# Altium PCB ETRX_FECU.PcbDoc
Units mm, origin at the board's own origin, x right, y up, seen from the top; angles counter-clockwise.
Board outline 150 x 55 mm, 4 copper layers (Top Layer, GND, PWR, Bottom Layer), stack 1.446 mm thick; 59 components, 50 nets, 264 pads, 447 vias.
Unrouted connection lines stored in the file: 6.
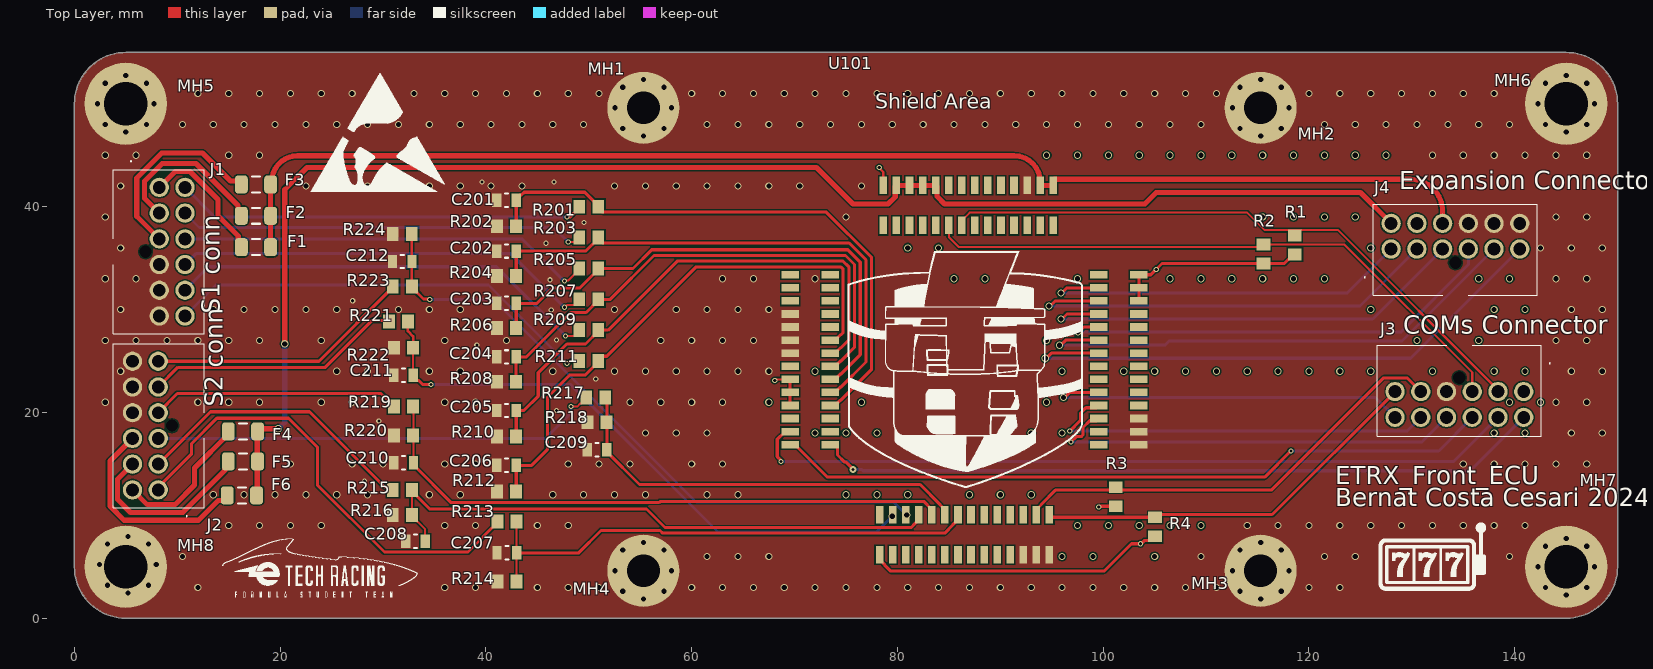
[diagram p0: Top Layer view]
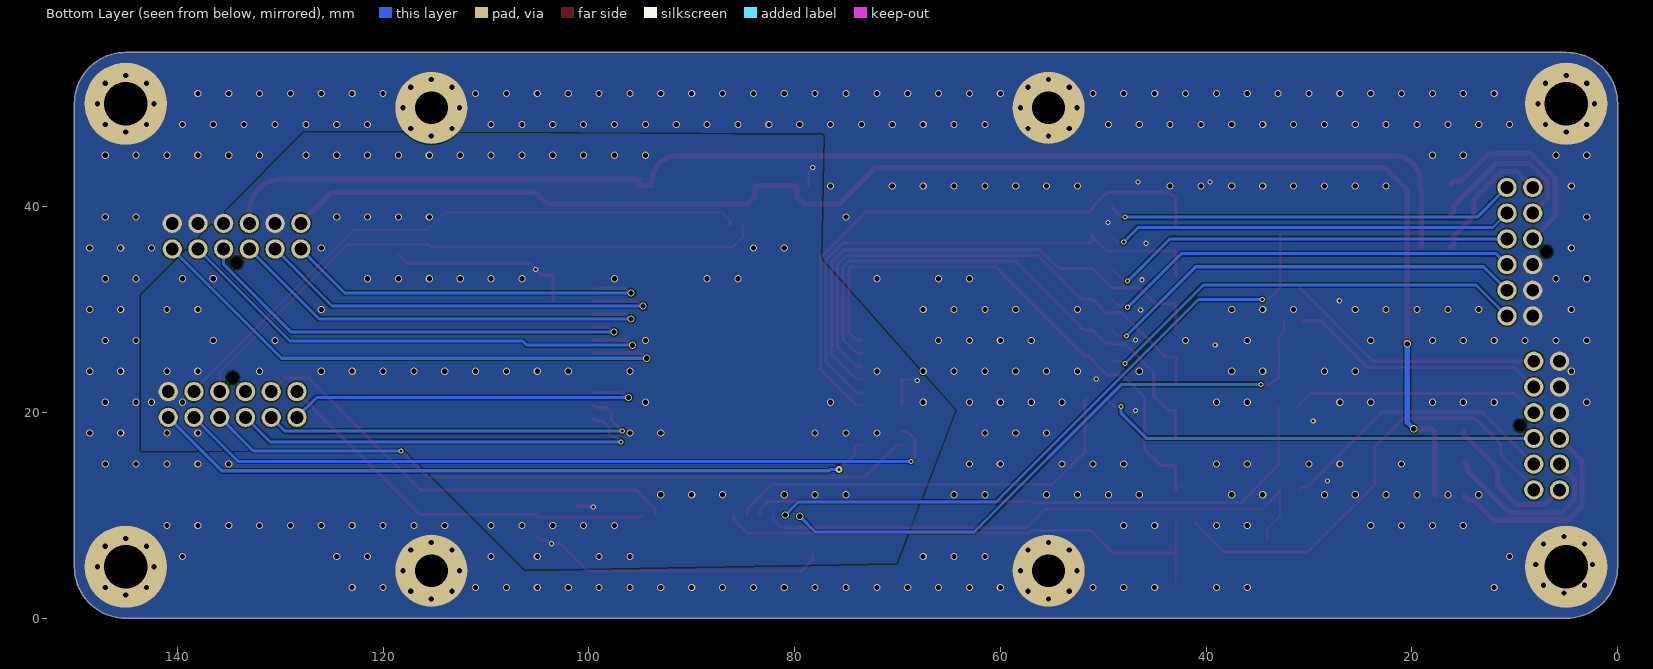
[diagram p1: Bottom Layer view, seen from below]
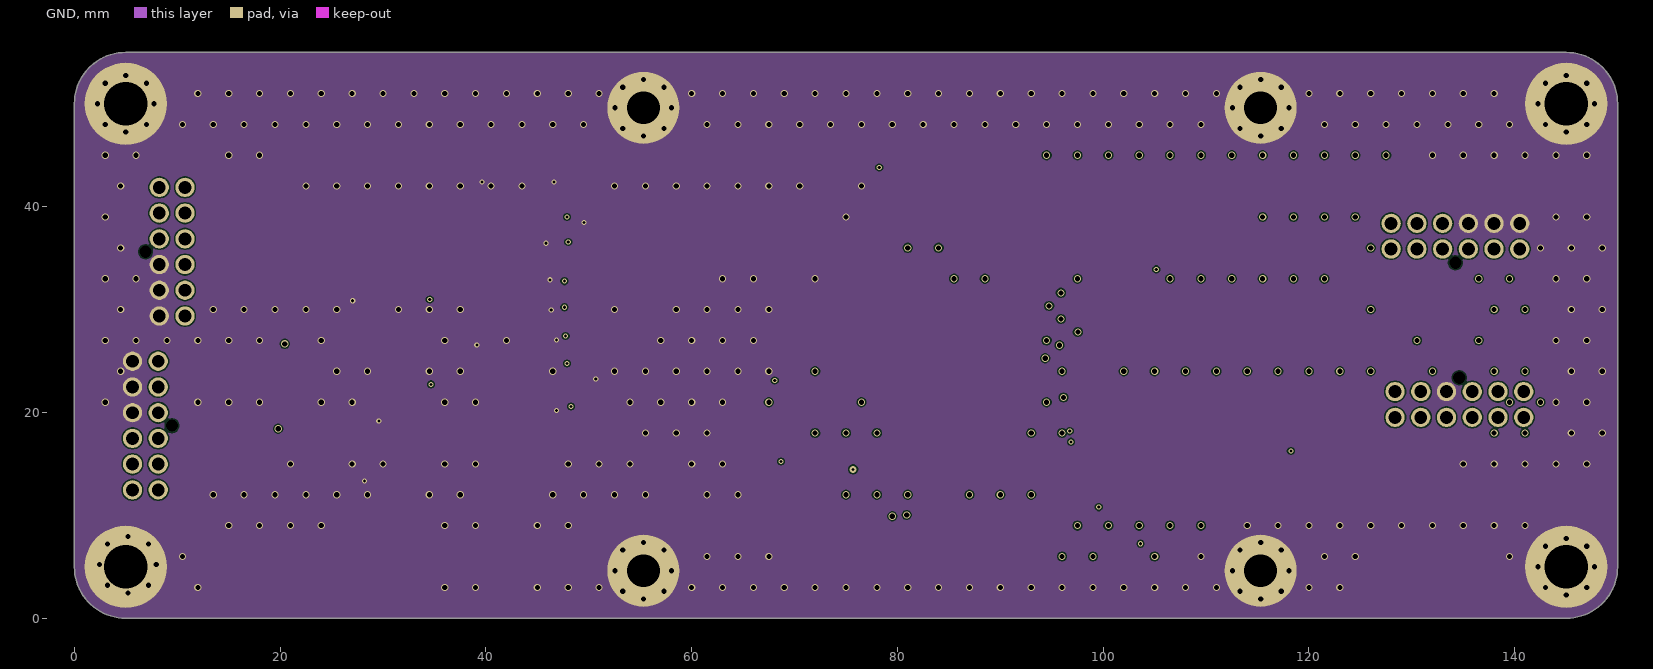
[diagram p2: GND]
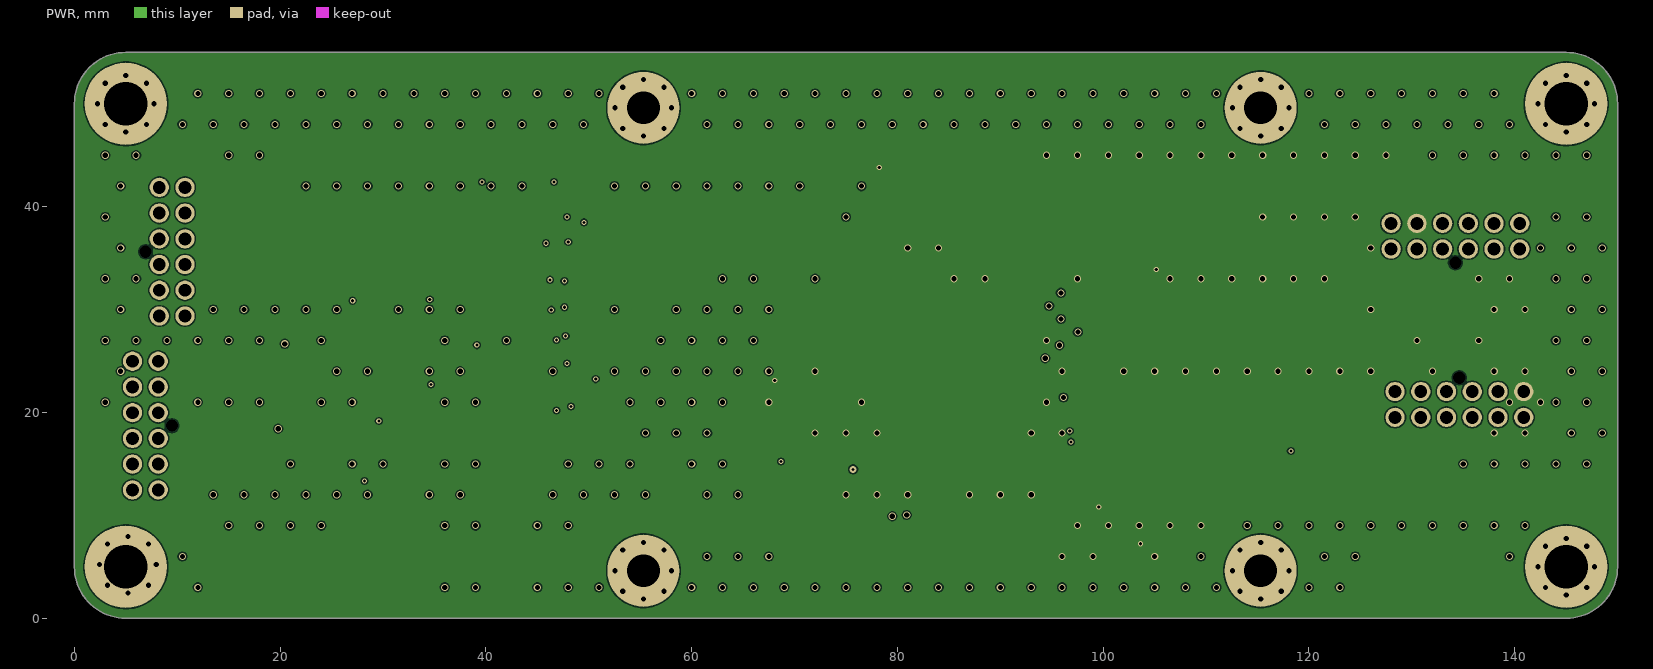
[diagram p3: PWR]

## Layer stack, top to bottom
Top Solder: solder mask 0.01, Solder Resist, Dk 3.5
Top Layer: signal copper 0.035
Dielectric 2: prepreg 0.1, PP-006, Dk 4.1
GND: signal copper 0.018
Dielectric 4: prepreg 0.07, PP-006, Dk 4.1
Dielectric 1: dielectric 1, FR-4, Dk 4.8
Dielectric 5: prepreg 0.07, PP-006, Dk 4.1
PWR: signal copper 0.018
Dielectric 3: prepreg 0.1, PP-006, Dk 4.1
Bottom Layer: signal copper 0.035
Bottom Solder: solder mask 0.01, Solder Resist, Dk 3.5

## Board outline
0,5 0,50 cw(c5,50) 5,55 145,55 cw(c145,50) 150,50 150,5 cw(c145,5) 145,0 5,0 cw(c5,5)

## Design rules (kind name [scope] priority, off if disabled: settings)
Clearance [All] p1: gap=0.127 ignorepadtopadclearanceinfootprint=FALSE
HoleSize [All] p1: absolutevalues=TRUE maxlimit=2.54 minlimit=0.2 maxpercent=80.000 minpercent=20.000
HoleToHoleClearance [All] p1: gap=0.01 allowstackedmicrovias=TRUE
PlaneClearance [All] p1: clearance=0.5
PlaneConnect [All] p1: planeconnectstyle=Direct reliefexpansion=0.508 reliefentries=4 reliefconductorwidth=0.254 reliefairgap=0.254
PolygonConnect [All] p1: connectstyle=Direct reliefconductorwidth=0.254 reliefentries=4 polygonreliefangle="90 Angle" airgapwidth=0.254
RoutingVias [All] p1: holewidth=0.3 width=0.5 viastyle="Through Hole" minholewidth=0.3 minwidth=0.5 maxholewidth=0.711 maxwidth=1.27
SilkToSilkClearance [All] p1: silktosilkclearance=0
SilkToSolderMaskClearance [IsPad] p1: minsilkscreentomaskgap=0.1 clearancetoexposedcopper=TRUE
SolderMaskExpansion [All] p1: expansion=0.1 istentingtop=FALSE
Width [All] p1: maxlimit=2 minlimit=0.2 preferedwidth=0.254 toplayer_maxwidth=1 bottomlayer_maxwidth=1 minimp=50.000000 maximp=50.000000 favimp=50.000000
24 further rules are at their usual default settings.

## Classes and differential pairs
component class ETRX_FECU: F1 F2 F3 F4 F5 F6 J1 J2 J3 J4 MH1 MH2 MH3 MH4 MH5 MH6 MH7 MH8 R1 R2 R3 R4
component class "[2] Sensors": C201 C202 C203 C204 C205 C206 C207 C208 C209 C210 C211 C212 R201 R202 R203 R204 R205 R206 R207 R208 R209 R210 R211 R212 R213 R214 R215 R216 R217 R218 R219 R220 R221 R222 R223 R224
component class "[1] Shield": U101

## Components (designator, comment, footprint, x,y, rotation, side; value= is the part's Value field where it differs from the comment)
C201 "885012207103" C0805FNPC-R 42,40.64 r180 top
C202 "885012207103" C0805FNPC-R 42,35.687 r180 top
C203 "885012207103" C0805FNPC-R 42,30.607 r180 top
C204 "885012207103" C0805FNPC-R 42,25.4 r180 top
C205 "885012207103" C0805FNPC-R 42,20.193 r180 top
C206 "885012207103" C0805FNPC-R 42,14.859 r180 top
C207 "885012207103" C0805FNPC-R 42.037,6.35 r180 top
C208 "885012207098" C0805FNPC-R 33.147,7.493 r180 top
C209 "885012207098" C0805FNPC-R 50.8,16.383 r180 top
C210 "885012207098" C0805FNPC-R 32.004,15.113 r180 top
C211 "885012207103" C0805FNPC-R 32,23.622 r180 top
C212 "885012207103" C0805FNPC-R 31.873,34.671 r180 top
F1 "0437001.WRA" Fuse_1206 17.653,36.068 r180 top
F2 "0437001.WRA" Fuse_1206 17.653,39.116 r180 top
F3 "0437001.WRA" Fuse_1206 17.653,42.164 r180 top
F4 "0437001.WRA" Fuse_1206 16.383,18.161 r0 top
F5 "0437001.WRA" Fuse_1206 16.383,15.24 r0 top
F6 "0437001.WRA" Fuse_1206 16.284,11.938 r0 top
J1 "1053101112" J_NanoFit_2x6_V 8.255,41.877 r90 top
J2 "1053101112" J_NanoFit_2x6_V 8.15,12.479 r270 top
J3 "1053101112" J_NanoFit_2x6_V 140.87,22.028 r0 top
J4 "1053101112" J_NanoFit_2x6_V 127.989,35.884 r180 top
MH1 "Mounting_Hole_M3" Mounting_Hole_M3 55.306,49.616 r0 top
MH2 "Mounting_Hole_M3" Mounting_Hole_M3 115.306,49.616 r0 top locked
MH3 "Mounting_Hole_M3" Mounting_Hole_M3 115.306,4.616 r0 top locked
MH4 "Mounting_Hole_M3" Mounting_Hole_M3 55.306,4.616 r0 top
MH5 "Mounting_Hole_M4" Mounting_Hole_M4#1 5,50 r0 top locked
MH6 "Mounting_Hole_M4" Mounting_Hole_M4#1 145,50 r0 top locked
MH7 "Mounting_Hole_M4" Mounting_Hole_M4#1 145,5 r0 top locked
MH8 "Mounting_Hole_M4" Mounting_Hole_M4#2 5.207,5.207 r0 top
R1 "CR0805-JW-103ELF" R0805FTK 118.618,36.286 r90 top
R2 "CR0805-JW-103ELF" R0805FTK 115.57,35.397 r90 top
R3 "CR0805-JW-103ELF" R0805FTK 101.219,11.811 r90 top
R4 "CR0805-JW-103ELF" R0805FTK 105.029,8.89 r90 top
R201 "CR0805-JW-102ELF" R0805FTK 50,40 r180 top
R202 "1k96" R0805FTK 42,38.1 r0 top
R203 "CR0805-JW-102ELF" R0805FTK 50,37 r180 top
R204 "1k96" R0805FTK 42,33.274 r0 top
R205 "CR0805-JW-102ELF" R0805FTK 50,34 r180 top
R206 "1k96" R0805FTK 42,28.194 r0 top
R207 "CR0805-JW-102ELF" R0805FTK 50,31 r180 top
R208 "1k96" R0805FTK 42,22.987 r0 top
R209 "CR0805-JW-102ELF" R0805FTK 50,28 r180 top
R210 "1k96" R0805FTK 42,17.653 r0 top
R211 "CR0805-JW-102ELF" R0805FTK 50,25 r180 top
R212 "1k96" R0805FTK 42,12.319 r0 top
R213 "CR0805-JW-102ELF" R0805FTK 42.037,9.398 r180 top
R214 "1k96" R0805FTK 42.037,3.556 r0 top
R215 "12k5" R0805FTK 31.877,12.446 r0 top
R216 "2k" R0805FTK 31.877,10.033 r180 top
R217 "12k5" R0805FTK 50.673,21.463 r0 top
R218 "2k" R0805FTK 50.8,19.05 r180 top
R219 "12k5" R0805FTK 32,20.574 r0 top
R220 "2k" R0805FTK 32.004,17.78 r180 top
R221 "CR0805-JW-102ELF" R0805FTK 31.496,28.829 r180 top
R222 "1k96" R0805FTK 32,26.289 r0 top
R223 "CR0805-JW-102ELF" R0805FTK 31.877,32.258 r180 top
R224 "1k96" R0805FTK 31.873,37.338 r0 top
U101 "ETR_SHIELD_III" ETR_SHIELD_III 51.518,0.127 r0 top locked

## Footprints (in the part's own frame and the unit in brackets; to place one, negate y for a bottom-side part, rotate by r counter-clockwise, add the part's x,y. Pads: shape width x height; smd on the part's side, far side on the other; paste and mask are expansions set on the pad)
C0805FNPC-R [mm]
  rect 0.9x1.3 smd: 1(-0.95,0) 2(0.95,0)
  silkscreen extent -0.15,-0.65 0.15,0.65, body extent -1.03,-0.63 0.97,0.63, height 0.96
ETR_SHIELD_III [mm]
  rect 1.7x0.74 smd: 3V3_1(18.05,20.555) 3V3_2(18.05,21.825) 3V3_3(18.05,23.095) 3V3_5(51.95,33.255) 3V3_6(51.95,31.985) 3V3_7(51.95,30.715) 5V_3(51.95,24.365) 5V_4(51.95,23.095) 5V_5(51.95,21.825) GND_1(18.05,25.635) GND_2(18.05,26.905) GND_3(18.05,28.175) GND_4(18.05,29.445) GND_8(51.95,19.285) GND_9(51.95,18.015) GND_10(51.95,16.745) NC_1(18.05,19.285) NC_2(18.05,24.365) NC_9(51.95,28.175) NC_10(51.95,26.905) NC_11(51.95,25.635) NC_12(51.95,20.555) PA0(21.95,23.095) PA1(21.95,21.825) PA2(21.95,20.555) PA3(21.95,19.285) PA4(21.95,18.015) PA5(21.95,16.745) PA6(18.05,18.015) PA7(18.05,16.745) PA8(48.05,31.985) PA9(48.05,33.255) PA10(51.95,29.445) PB15(48.05,16.745) PB15(48.05,18.015) PC0(21.95,28.175) PC1(21.95,26.905) PC2(21.95,25.635) PC3(21.95,24.365) PC6(48.05,26.905) PC7(48.05,28.175) PC8(48.05,29.445) PC9(48.05,30.715) PC13(21.95,30.715) PC14(21.95,29.445) PC15(18.05,30.715) PD8(48.05,19.285) PD9(48.05,20.555) PD10(48.05,21.825) PD11(48.05,23.095) PD14(48.05,24.365) PD15(48.05,25.635) PE2(21.95,33.255) PE3(18.05,33.255) PE5(21.95,31.985) PE6(18.05,31.985)
  rect 0.74x1.7 smd: 3V3_4(26.745,6.05) 3V3_8(27.114,41.95) 5V_1(34.365,6.05) 5V_2(35.635,6.05) 5V_6(42.354,41.95) 5V_7(43.624,41.95) GND_5(40.715,6.05) GND_6(41.985,6.05) GND_7(43.255,6.05) GND_11(41.084,41.95) LVtr_1(28.384,41.95) LVtr_2(29.654,41.95) LVtr_3(30.924,41.95) LVtr_4(32.194,41.95) NC_3(30.555,6.05) NC_4(31.825,6.05) NC_5(33.095,6.05) NC_6(36.905,6.05) NC_7(38.175,6.05) NC_8(39.445,6.05) NC_13(27.114,38.05) PA15(43.624,38.05) PB0(26.745,9.95) PB1(28.015,9.95) PB2(29.285,9.95) PB3(38.544,38.05) PB4(37.274,38.05) PB5(36.004,38.05) PB6(34.734,38.05) PB7(33.464,38.05) PB8(32.194,38.05) PB9(30.924,38.05) PB10(41.985,9.95) PB11(43.255,9.95) PC4(28.015,6.05) PC5(29.285,6.05) PC10(42.354,38.05) PC11(41.084,38.05) PC12(39.814,38.05) PD2(39.814,41.95) PD3(38.544,41.95) PD4(37.274,41.95) PD5(36.004,41.95) PD6(34.734,41.95) PD7(33.464,41.95) PE0(29.654,38.05) PE1(28.384,38.05) PE7(30.555,9.95) PE8(31.825,9.95) PE9(33.095,9.95) PE10(34.365,9.95) PE11(35.635,9.95) PE12(36.905,9.95) PE13(38.175,9.95) PE14(39.445,9.95) PE15(40.715,9.95)
  silkscreen extent 23.65,12.55 46.49,35.52, body extent 0,0 70,55, height 18.7
Fuse_1206 [mm] "Chip Resistor, 2-Leads, Body 3,20x1,58mm, IPC Medium Density"
  rrect50% 1.25x1.75 smd: 1(-1.425,0) 2(1.425,0)
  silkscreen extent -0.4,-0.77 0.4,0.77, body extent -1.6,-0.79 1.6,0.79, height 0.86
J_NanoFit_2x6_V [mm]
  round 1.875 hole 1.25: 1(0,0) 2(-2.5,0) 3(-5,0) 4(-7.5,0) 5(-10,0) 6(-12.5,0) 7(0,-2.5) 8(-2.5,-2.5) 9(-5,-2.5) 10(-7.5,-2.5) 11(-10,-2.5) 12(-12.5,-2.5)
  round 0.675 hole 1.2 unplated: MH1(-6.25,1.34)
  silkscreen extent -14.22,-4.35 2.6,4.49, body extent -14.19,-4.26 1.75,4.58, height 10.68
Mounting_Hole_M3 [mm]
  round 7 hole 3.2: 1(0,0)
Mounting_Hole_M4#1 [mm]
  round 8 hole 4.2: 1(0,0)
Mounting_Hole_M4#2 [mm]
  round 8 hole 4.2: 1(-0.207,-0.207)
R0805FTK [mm] "Chip Resistor, 2-Leads, Body 2,00x1,25mm, IPC Medium Density"
  rect 1.15x1.35 smd: 1(-0.925,0) 2(0.925,0)
  body extent -1,-0.63 1,0.63, height 0.65

## Part data
C201 C202 C203 C204 C205 C206 C207 C211 C212: library part C1u-50V-0805FNPC-X7R, "Multilayer Ceramic Capacitor, Wcap-Csgp Series, 1 F, 10%, X7R, 50 V, 0805 [2012 Metric] Rohs Compliant: Yes", Capacitance=1uF, Case Code (Imperial)=0805, Case Code (Metric)=2012, Dielectric=X7R, Manufacturer 1="Wurth Electronics", Max Operating Temperature=85°C, Min Operating Temperature=-55°C, Supplier Part Number 1=1813523, Tolerance=10%, Voltage Rating=50V, .Creator=GP, Case/Package=0805, Category="Ceramic Capacitors", ComponentLink1Description=http://www.farnell.com/datasheets/1958501.pdf?src-supplier=Farnell, ComponentLink1URL=http://www.farnell.com/datasheets/1958501.pdf?src-supplier=Farnell, ComponentLink2Description=http://www.farnell.com/datasheets/1958501.pdf?src-supplier=Element14, ComponentLink2URL=http://www.farnell.com/datasheets/1958501.pdf?src-supplier=Element14, ComponentLink3Description=https://katalog.we-online.de/pbs/datasheet/885012107003.pdf?src-supplier=Digi-Key, ComponentLink3URL=https://katalog.we-online.de/pbs/datasheet/885012107003.pdf?src-supplier=Digi-Key, ComponentLink4Description=http://www.farnell.com/datasheets/1958501.pdf?src-supplier=Newark, ComponentLink4URL=http://www.farnell.com/datasheets/1958501.pdf?src-supplier=Newark, Length=0.079inch, Manufacturer Part Number 1=885012207103, Mount="Surface Mount", Packaging="Cut Tape", Pricing 1="50=0,27200, 250=0,25300, 500=0,22800, 1250=0,20100, 2500=0,17100 (GBP)", REACH SVHC=Unknown, RoHS=Yes, RoHS Compliant=Yes, Stock 1=5100, Supplier 1=RSComponents, Thickness=0.053inch, Voltage Rating (DC)=50V, Width=0.049inch
C208 C209 C210: library part C100n-50V-0805FNPC-X7R, "Cap, 0.1ΜF, 50V, 10%, X7R, 0805", Capacitance=100nF, Case Code (Imperial)=0805, Case Code (Metric)=2012, Dielectric=X7R, Manufacturer 1="Wurth Electronics", Max Operating Temperature=125°C, Min Operating Temperature=-55°C, Supplier Part Number 1=1813493, Tolerance=10%, Voltage Rating=50V, .Creator=DR, Case/Package=0805, Category="Ceramic Capacitors", ComponentLink1Description=http://www.farnell.com/datasheets/1958498.pdf?src-supplier=Farnell, ComponentLink1URL=http://www.farnell.com/datasheets/1958498.pdf?src-supplier=Farnell, ComponentLink2Description=http://www.farnell.com/datasheets/1958498.pdf?src-supplier=Element14, ComponentLink2URL=http://www.farnell.com/datasheets/1958498.pdf?src-supplier=Element14, ComponentLink3Description=https://katalog.we-online.de/pbs/datasheet/885012207098.pdf?src-supplier=Digi-Key, ComponentLink3URL=https://katalog.we-online.de/pbs/datasheet/885012207098.pdf?src-supplier=Digi-Key, ComponentLink4Description=http://www.farnell.com/datasheets/1958498.pdf?src-supplier=Newark, ComponentLink4URL=http://www.farnell.com/datasheets/1958498.pdf?src-supplier=Newark, Length=0.079inch, Manufacturer Part Number 1=885012207098, Mount="Surface Mount", Packaging="Cut Tape", Pricing 1="100=0,10200, 500=0,07100, 2000=0,06100 (GBP)", REACH SVHC=Unknown, RoHS=Yes, RoHS Compliant=Yes, Stock 1=8000, Supplier 1=RSComponents, Thickness=0.035inch, Voltage Rating (DC)=50V, Width=0.049inch
F1 F2 F3 F4 F5 F6: library part Fuse_1A_63V_1206, "Fuse Chip Fast Acting 1A 63V SMD Solder Pad 1206 Ceramic T/R Automotive", Case Code (Imperial)=1206, Case Code (Metric)=3216, Current Rating=1A, Manufacturer=Littelfuse, Max Operating Temperature=150°C, Min Operating Temperature=-55°C, Supplier Part Number 1=F10001CT-ND, Voltage Rating (AC)=63V, .Creator=DO, Approvals=CSA,cURus, Case/Package=1206, Category=Fuses, ComponentLink1Description=https://www.littelfuse.com/~/media/electronics/datasheets/fuses/littelfuse_fuse_437a_datasheet.pdf.pdf?src-supplier=Digi-Key, ComponentLink1URL=https://www.littelfuse.com/~/media/electronics/datasheets/fuses/littelfuse_fuse_437a_datasheet.pdf.pdf?src-supplier=Digi-Key, ComponentLink2Description="Where buy it", ComponentLink2URL=https://www.mouser.es/ProductDetail/Littelfuse/0437001WRA?qs=DXv0QSHKF4z9CJhPXjxR%252BA%3D%3D, Fuse Type="Board Mount (Cartridge Style Excluded)", Manufacturer Part Number=0437001.WRA, Mount="Surface Mount", Packaging="Tape and Reel", Pricing 1="1=1,52000, 5=1,47000, 10=1,37600, 50=1,13860, 100=0,94880, 250=0,92508, 500=0,78276, 1000=0,68788 (USD)", RoHS=Yes, Stock 1=5820, Supplier 1=Digi-Key, Voltage Rating (DC)=63V
J1 J2 J3 J4: library part J_NanoFit_2x6_V, "Nano-Fit Vertical Header, Through Hole, 2.50mm Pitch, Dual Row, 12 Circuits, with Kinked Pins, Tin (Sn) Plating, Black, Glow-Wire Capable, Tray"
R1 R2 R3 R4: library part R10k-0805FTK, "BOURNS         CR0805-JW-103ELF            Surface Mount Chip Resistor, Thick Film, CR Series, 10 kohm, 125 mW,  5%, 150 V", Case Code (Imperial)=0805, Case Code (Metric)=2012, Manufacturer 1=Bourns, Max Operating Temperature=155°C, Max Power Dissipation=125mW, Min Operating Temperature=-55°C, Package Quantity=1, Resistance=10kR, Resistance Tolerance=5%, Resistor Type="Thick Film", Temperature Coefficient=200ppm/°C, Voltage Rating=150V, Voltage Rating (DC)=100V, .Creator=DR, Case/Package=0805, Category="Chip SMD Resistors", ComponentLink1Description=https://datasheet.ciiva.com/11821/0900766b80fcdb72-11821135.pdf?src-supplier=RSComponents, ComponentLink1URL=https://datasheet.ciiva.com/11821/0900766b80fcdb72-11821135.pdf?src-supplier=RSComponents, ComponentLink2Description=https://datasheet.ciiva.com/9122/chpreztr-9122374.pdf?src-supplier=Avnet, ComponentLink2URL=https://datasheet.ciiva.com/9122/chpreztr-9122374.pdf?src-supplier=Avnet, ComponentLink3Description=https://datasheet.ciiva.com/22693/1902866-22693254.pdf?src-supplier=Element14, ComponentLink3URL=https://datasheet.ciiva.com/22693/1902866-22693254.pdf?src-supplier=Element14, ComponentLink4Description=https://datasheet.ciiva.com/7986/691949-7986187.pdf?src-supplier=Element14, ComponentLink4URL=https://datasheet.ciiva.com/7986/691949-7986187.pdf?src-supplier=Element14, ComponentLink5Description=https://datasheet.ciiva.com/30065/159chpreztr-30065976.pdf?src-supplier=Onlinecomponents.com, ComponentLink5URL=https://datasheet.ciiva.com/30065/159chpreztr-30065976.pdf?src-supplier=Onlinecomponents.com, ComponentLink6Description=https://datasheet.ciiva.com/16783/70154685-16783482.pdf?src-supplier=Allied+Electronics, ComponentLink6URL=https://datasheet.ciiva.com/16783/70154685-16783482.pdf?src-supplier=Allied+Electronics, ComponentLink7Description=https://datasheet.ciiva.com/5548/chpreztr-5548491.pdf?src-supplier=Mouser, ComponentLink7URL=https://datasheet.ciiva.com/5548/chpreztr-5548491.pdf?src-supplier=Mouser, ComponentLink8Description=https://datasheet.ciiva.com/6559/chpreztr-6559900.pdf?src-supplier=Digi-Key, ComponentLink8URL=https://datasheet.ciiva.com/6559/chpreztr-6559900.pdf?src-supplier=Digi-Key, ComponentLink9Description=https://datasheet.ciiva.com/6559/chpreztr-6559901.pdf?src-supplier=Digi-Key, ComponentLink9URL=https://datasheet.ciiva.com/6559/chpreztr-6559901.pdf?src-supplier=Digi-Key, ComponentLink10Description=https://datasheet.ciiva.com/7985/1856384-7985869.pdf?src-supplier=Element14, ComponentLink10URL=https://datasheet.ciiva.com/7985/1856384-7985869.pdf?src-supplier=Element14, ComponentLink11Description=https://datasheet.ciiva.com/48692/001055517-da-01-en-smd-wid-cr0805-jw-103elf-10k-ohm-1-8w-48692118.pdf?src-supplier=Conrad, ComponentLink11URL=https://datasheet.ciiva.com/48692/001055517-da-01-en-smd-wid-cr0805-jw-103elf-10k-ohm-1-8w-48692118.pdf?src-supplier=Conrad, Construction=Rectangular, Contact Plating=Tin, Depth=1.25mm, Features="Moisture Resistant", Height=0.5mm, Length=2mm, Manufacturer Part Number 1=CR0805-JW-103ELF, Military Standard=Not, Mount="Surface Mount", Number of Pins=2, Number of Terminations=2, Packaging="Tape and Reel", Power Rating=125mW, Pricing 1="1=0,05790, 10=0,01540, 25=0,01340, 100=0,00340 (USD)", Radiation Hardening=No, REACH SVHC="No SVHC", RoHS=Yes, RoHS Compliant=Yes, Series=CR0805, Stock 1=57566, Supplier 1="Arrow Electronics", Supplier Part Number 1=CR0805-JW-103ELF, Technology="THICK FILM", Termination=SMD/SMT, Thickness=508um, Tolerance=5%, Width=1.25mm
R201 R203 R205 R207 R209 R211 R213 R221 R223: library part R1k-0805FTK, "Res Thick Film 0805 1K Ohm 5% 1/8W ±200ppm/°C Molded SMD SMD Paper Tape on Plastic Reel", Case Code (Imperial)=0805, Case Code (Metric)=2012, Manufacturer 1=Bourns, Max Operating Temperature=155°C, Max Power Dissipation=125mW, Min Operating Temperature=-55°C, Package Quantity=1, Resistance=1kR, Resistor Type="Thick Film", Temperature Coefficient=200ppm/°C, Tolerance=5%, Voltage Rating=150V, .Creator=GP, Case/Package=0805, Category="Chip SMD Resistors", ComponentLink1Description=https://datasheet.ciiva.com/11821/0900766b80fcdb72-11821134.pdf?src-supplier=RSComponents, ComponentLink1URL=https://datasheet.ciiva.com/11821/0900766b80fcdb72-11821134.pdf?src-supplier=RSComponents, ComponentLink2Description=https://datasheet.ciiva.com/15225/getdatasheetpartid-78155-15225381.pdf?src-supplier=Verical, ComponentLink2URL=https://datasheet.ciiva.com/15225/getdatasheetpartid-78155-15225381.pdf?src-supplier=Verical, ComponentLink3Description=https://datasheet.ciiva.com/22693/1902866-22693253.pdf?src-supplier=Element14, ComponentLink3URL=https://datasheet.ciiva.com/22693/1902866-22693253.pdf?src-supplier=Element14, ComponentLink4Description=https://datasheet.ciiva.com/7986/1856384-7986184.pdf?src-supplier=Element14, ComponentLink4URL=https://datasheet.ciiva.com/7986/1856384-7986184.pdf?src-supplier=Element14, ComponentLink5Description=https://datasheet.ciiva.com/7985/1856384-7985867.pdf?src-supplier=Element14, ComponentLink5URL=https://datasheet.ciiva.com/7985/1856384-7985867.pdf?src-supplier=Element14, ComponentLink6Description=https://datasheet.ciiva.com/30242/159chpreztr-30242765.pdf?src-supplier=Onlinecomponents.com, ComponentLink6URL=https://datasheet.ciiva.com/30242/159chpreztr-30242765.pdf?src-supplier=Onlinecomponents.com, ComponentLink7Description=https://datasheet.ciiva.com/6547/chpreztr-6547359.pdf?src-supplier=Digi-Key, ComponentLink7URL=https://datasheet.ciiva.com/6547/chpreztr-6547359.pdf?src-supplier=Digi-Key, Contact Plating=Tin, Depth=1.25mm, Features="Moisture Resistant", Height=0.5mm, Lead Free="Lead Free", Length=2mm, Manufacturer Part Number 1=CR0805-JW-102ELF, Military Standard=Not, Mount="Surface Mount", Number of Pins=2, Number of Terminations=2, Packaging="Tape and Reel", Power Rating=125mW, Pricing 1="1=0,05930, 10=0,03510, 25=0,01790, 100=0,00800, 250=0,00790, 500=0,00590, 1000=0,00360, 3000=0,00350, 6000=0,00250 (USD)", Radiation Hardening=No, REACH SVHC="No SVHC", RoHS=Yes, Stock 1=27510, Supplier 1="Arrow Electronics", Supplier Part Number 1=CR0805-JW-102ELF, Termination=SMD/SMT, Thickness=508um, Voltage Rating (DC)=150V, Width=1.25mm
R202 R204 R206 R208 R210 R212 R214 R222 R224: library part R1k96-0805FTK
R215 R217 R219: library part R12k5-0805FTK
R216 R218 R220: library part R2k-0805FTK
U101: library part ETR_Shield_III

## Via types
v1: diameter 0.7, hole 0.5, Top Layer to Bottom Layer, 415 vias
v2: diameter 0.5, hole 0.3, Top Layer to Bottom Layer, 31 vias
v3: diameter 0.7, hole 0.3, Top Layer to Bottom Layer, 1 vias

## Nets (pads, with @x,y where several pads share a name; then routed paths per layer and width w, separated by ;. In a path a pad name is that pad's centre, name@x,y a point inside that pad or via, vN(x,y) a via of type N, cw(c..) or ccw(c..) an arc to the next point about the centre after c; other vN are vias at no path point)
+3.3: J3.1 J4.8 R1.1 R2.1 R3.1 R4.1 U101.3V3_1 U101.3V3_2 U101.3V3_3 U101.3V3_4 U101.3V3_5 U101.3V3_6 U101.3V3_7 U101.3V3_8 | length 55.3
  Top Layer w0.2: v2(68.072,23.114) 68.153,23.114 68.261,23.222 U101.3V3_3
  Top Layer w0.254: v2(78.232,43.815) 78.232,43.748 78.632,43.348 U101.3V3_8
  Top Layer w0.3: U101.3V3_1 U101.3V3_2 U101.3V3_3 ; U101.3V3_4 78.263,5.697 78.759,5.201 78.759,5.16 79.347,4.572 100.076,4.572 102.743,7.239 103.686,7.239 103.987,7.54 104.604,7.54 R4.1 ; v2(99.568,10.795) 99.622,10.795 99.713,10.886 R3.1 ; U101.3V3_7 U101.3V3_6 U101.3V3_5 104.629,33.382 105.719,34.472 117.593,34.472 118.518,35.397 R1.1@118.618,35.397
  other v1: 96,6 99,6 105,6 97.5,9 100.5,9 103.5,9 106.5,9 109.5,9 75,12 78,12 81,12 87,12 90,12 93,12 72,18 75,18 78,18 93,18 96,18 138,18 141,18 67.5,21 76.5,21 94.5,21 139.5,21 142.5,21 72,24 96,24 102,24 105,24 108,24 111,24 114,24 117,24 120,24 123,24 126,24 132,24 138,24 141,24 94.5,27 130.5,27 136.5,27 126,30 138,30 141,30 85.5,33 88.5,33 97.5,33 106.5,33 109.5,33 112.5,33 115.5,33 118.5,33 121.5,33 136.5,33 139.5,33 81,36 84,36 126,36 115.5,39 118.5,39 121.5,39 124.5,39 94.5,45 97.5,45 100.5,45 103.5,45 106.5,45 109.5,45 112.5,45 115.5,45 118.5,45 121.5,45 124.5,45 127.5,45
  other v2: 103.632,7.239 105.156,33.909
+5: F1.1 F2.1 F3.1 J4.9 U101.5V_6 U101.5V_7 | length 127.7
  Top Layer w0.5: F1.1 F2.1 19.078,41.557 cw(c19.177,41.557) 19.177,41.656 19.177,42.418 cw(c21.717,42.418) 21.717,44.958 91.332,44.958 cw(c91.332,42.418) 93.872,42.418 U101.5V_6 U101.5V_7 95.142,42.552 95.262,42.672 129.854,42.672 cw(c129.854,39.537) 132.989,39.537 J4.9
  Bottom Layer w0.5: J4.9 J4.9@132.989,39.116
GND: C201.2 C202.2 C203.2 C204.2 C205.2 C206.2 C207.2 C208.2 C209.2 C210.2 C211.2 C212.2 J1.4 J1.5 J1.6 J2.10 J2.11 J2.12 J3.4 J4.10 J4.11 J4.12 MH1.1 MH2.1 MH3.1 MH4.1 MH5.1 MH6.1 MH7.1 MH8.1 R202.1 R204.1 R206.1 R208.1 R210.1 R212.1 R214.1 R216.2 R218.2 R220.2 R222.1 R224.1 U101.GND_1 U101.GND_2 U101.GND_3 U101.GND_4 U101.GND_5 U101.GND_6 U101.GND_7 U101.GND_8 U101.GND_9 U101.GND_10 U101.GND_11
  other v1: 55.306,1.866 115.306,1.866 145,2.25 5.207,2.457 53.306,2.616 57.306,2.616 113.306,2.616 117.306,2.616 12,3 36,3 39,3 45,3 48,3 51,3 60,3 63,3 66,3 69,3 72,3 75,3 78,3 81,3 84,3 87,3 90,3 93,3 96,3 99,3 102,3 105,3 108,3 111,3 120,3 123,3 143,3 147,3 3.207,3.207 7.207,3.207 52.556,4.616 58.056,4.616 112.556,4.616 118.056,4.616 142.25,5 147.75,5 2.457,5.207 7.957,5.207 10.5,6 61.5,6 64.5,6 67.5,6 109.5,6 121.5,6 124.5,6 139.5,6 53.306,6.616 57.306,6.616 113.306,6.616 117.306,6.616 143,7 147,7 3.207,7.207 7.207,7.207 55.306,7.366 115.306,7.366 145,7.75 5.207,7.957 15,9 18,9 21,9 24,9 36,9 39,9 45,9 48,9 114,9 117,9 120,9 123,9 126,9 129,9 132,9 135,9 138,9 141,9 13.5,12 16.5,12 19.5,12 22.5,12 25.5,12 28.5,12 34.5,12 37.5,12 46.5,12 49.5,12 52.5,12 55.5,12 61.5,12 64.5,12 21,15 27,15 30,15 36,15 39,15 48,15 51,15 54,15 60,15 63,15 135,15 138,15 141,15 144,15 147,15 55.5,18 58.5,18 61.5,18 145.5,18 148.5,18 3,21 12,21 15,21 18,21 24,21 27,21 36,21 39,21 54,21 57,21 60,21 63,21 144,21 147,21 4.5,24 25.5,24 28.5,24 34.5,24 37.5,24 46.5,24 52.5,24 55.5,24 58.5,24 61.5,24 64.5,24 67.5,24 145.5,24 148.5,24 3,27 6,27 9,27 12,27 15,27 18,27 24,27 36,27 42,27 57,27 60,27 63,27 66,27 144,27 147,27 4.5,30 13.5,30 16.5,30 19.5,30 22.5,30 25.5,30 31.5,30 34.5,30 37.5,30 52.5,30 58.5,30 61.5,30 64.5,30 67.5,30 145.5,30 148.5,30 3,33 6,33 63,33 66,33 72,33 144,33 147,33 4.5,36 142.5,36 145.5,36 148.5,36 3,39 75,39 144,39 147,39 4.5,42 22.5,42 25.5,42 28.5,42 31.5,42 34.5,42 37.5,42 40.5,42 43.5,42 52.5,42 55.5,42 58.5,42 61.5,42 64.5,42 67.5,42 70.5,42 76.5,42 3,45 6,45 15,45 18,45 132,45 135,45 138,45 141,45 144,45 147,45 55.306,46.866 115.306,46.866 5,47.25 145,47.25 53.306,47.616 57.306,47.616 113.306,47.616 117.306,47.616 3,48 7,48 10.5,48 13.5,48 16.5,48 19.5,48 22.5,48 25.5,48 28.5,48 31.5,48 34.5,48 37.5,48 40.5,48 43.5,48 46.5,48 49.5,48 61.5,48 64.5,48 67.5,48 70.5,48 73.5,48 76.5,48 79.5,48 82.5,48 85.5,48 88.5,48 91.5,48 94.5,48 97.5,48 100.5,48 103.5,48 106.5,48 109.5,48 121.5,48 124.5,48 127.5,48 130.5,48 133.5,48 136.5,48 139.5,48 143,48 147,48 52.556,49.616 58.056,49.616 112.556,49.616 118.056,49.616 2.25,50 7.75,50 142.25,50 147.75,50 12,51 15,51 18,51 21,51 24,51 27,51 30,51 33,51 36,51 39,51 42,51 45,51 48,51 51,51 60,51 63,51 66,51 69,51 72,51 75,51 78,51 81,51 84,51 87,51 90,51 93,51 96,51 99,51 102,51 105,51 108,51 111,51 120,51 123,51 126,51 129,51 132,51 135,51 138,51 53.306,51.616 57.306,51.616 113.306,51.616 117.306,51.616 3,52 7,52 143,52 147,52 55.306,52.366 115.306,52.366 5,52.75 145,52.75
  other v2: 28.194,13.335 29.591,19.177 46.863,20.193 50.673,23.241 39.116,26.543 46.863,27.051 46.355,29.972 27.051,30.861 46.228,32.893 45.847,36.449 49.53,38.481 39.624,42.41 46.609,42.41
I2C1_SDA: J3.3 R2.2 U101.PB7 | length 59.5
  Top Layer w0.2: U101.PB7@84.994,38.165 84.994,37.053 85.979,36.068 R2.2@115.316,36.068 ; R2.2 123.444,36.322 135.87,23.896 J3.3
  Top Layer w0.3: U101.PB7 U101.PB7@84.994,38.165 ; R2.2@115.316,36.068 R2.2
I2C2_SCL: J3.5 R3.2 U101.PB10 | length 43.7
  Top Layer w0.3: U101.PB10 93.503,10.557 93.999,11.053 93.999,11.094 95.351,12.446 101.219,12.446 116.332,12.446 127.256,23.37 129.528,23.37 J3.5
I2C2_SDA: J3.6 R4.2 U101.PB11 | length 38.7
  Top Layer w0.3: U101.PB11 94.773,10.035 94.993,9.815 R4.2 ; R4.2@105.029,10.077 116.419,10.077 J3.6
ISC1_SCL: J3.2 R1.2 U101.PB6 | length 60.2
  Top Layer w0.2: U101.PB6@86.252,38.657 87.026,39.431 113.985,39.431 115.697,37.719 122.83,37.719 J3.2@138.37,22.179
  Top Layer w0.3: U101.PB6 U101.PB6@86.252,38.657 ; J3.2 J3.2@138.37,22.179
"LV tr": F4.2 F5.2 F6.2 J4.7 U101.LVtr_1 U101.LVtr_2 U101.LVtr_3 U101.LVtr_4 | length 146.1
  Top Layer w0.5: F6.2 ccw(c17.709,12.009) 17.78,12.009 17.78,18.133 18.062,18.415 v1(19.812,18.415) ; v1(20.447,26.67) 20.447,41.656 22.606,43.815 72.136,43.815 75.69,40.261 79.09,40.261 79.782,40.953 79.782,41.957 U101.LVtr_1 U101.LVtr_2 U101.LVtr_3 U101.LVtr_4 83.832,41.957 83.832,41.009 84.582,40.259 104.047,40.259 105.162,41.374 124.999,41.374 J4.7
  Bottom Layer w0.5: v1(19.812,18.415) 20.447,19.05 v1(20.447,26.67)
NetF1_2: F1.2 J1.1 | length 13.1
  Top Layer w0.5: J1.1 9.812,43.434 11.237,43.434 13.97,40.701 13.97,39.116 15.934,37.152 15.934,36.362 F1.2
NetF2_2: F2.2 J1.2 | length 16.3
  Top Layer w0.5: J1.2 6.813,40.819 6.813,42.474 8.535,44.196 11.811,44.196 15.892,40.115 15.892,39.452 F2.2
NetF3_2: F3.2 J1.3 | length 19.3
  Top Layer w0.5: J1.3 6.06,39.072 6.06,42.786 8.485,45.212 12.446,45.212 15.172,42.486 15.906,42.486 F3.2
NetF4_1: F4.1 J2.7 | length 14
  Top Layer w0.5: J2.7 7.091,11.037 9.767,11.037 11.684,12.954 11.684,14.605 14.958,17.879 F4.1
NetF5_1: F5.1 J2.8 | length 17.7
  Top Layer w0.5: J2.8 4.208,13.537 4.208,11.54 5.465,10.283 10.537,10.283 14.622,14.368 14.622,14.904 F5.1
NetF6_1: F6.1 J2.9 | length 20.5
  Top Layer w0.5: J2.9 3.454,15.284 3.454,10.897 4.822,9.53 12.07,9.53 13.98,11.44 14.489,11.44 14.859,11.81 F6.1
PA0: C203.1 R205.1 R206.2 U101.PA0 | length 51.5
  Top Layer w0.3: R206.2 42.95,28.219 C203.1 44.958,30.607 46.43,32.079 49.104,32.079 50.925,33.9 R205.1 54.299,34 56.117,35.818 75.174,35.818 76.384,34.608 76.384,25.617 74.485,23.718 74.444,23.718 73.948,23.222 U101.PA0
PA1: C202.1 R203.1 R204.2 U101.PA1 | length 53.2
  Top Layer w0.3: R204.2 42.95,33.299 C202.1 49.712,35.687 50.925,36.9 R203.1 50.925,37.1 51.137,37.313 51.137,36.687 51.35,36.475 75.3,36.475 76.938,34.837 76.938,24.901 74.485,22.448 74.444,22.448 73.948,21.952 U101.PA1
PA2: C201.1 R201.1 R202.2 U101.PA2 | length 56.6
  Top Layer w0.3: R202.2 42.95,38.125 C201.1 42.95,40.84 43.25,41.14 43.45,41.14 43.712,41.402 49.623,41.402 50.925,40.1 R201.1 50.925,39.9 51.35,39.475 73.084,39.475 77.492,35.067 77.492,24.185 74.485,21.178 74.444,21.178 73.948,20.682 U101.PA2
PA5: J3.7 U101.PA5 | length 71.1
  Top Layer w0.3: U101.PA5 73.948,16.872 74.168,16.652 74.168,15.862 74.826,15.204 74.961,15.204 v3(75.695,14.47)
  Bottom Layer w0.3: v3(75.695,14.47) 76.51,14.47 76.645,14.335 135.677,14.335 J3.7
PA6: J3.8 U101.PA6 | length 75.3
  Top Layer w0.3: v2(68.676,15.24) 68.676,15.348 68.314,15.711 68.314,17.409 68.551,17.646 68.592,17.646 69.088,18.142 U101.PA6
  Bottom Layer w0.3: v2(68.676,15.24) 134.082,15.24 J3.8
PA7: J3.9 U101.PA7 | length 70
  Top Layer w0.3: U101.PA7 70.048,16.872 73.204,13.716 115.697,13.716 v2(118.237,16.256)
  Bottom Layer w0.3: v2(118.237,16.256) 132.598,16.256 J3.9
PA8: J4.1 U101.PA8 | length 37.8
  Top Layer w0.3: v1(95.885,31.623) 95.993,31.623 96.482,32.112 U101.PA8
  Bottom Layer w0.3: v1@95.885,31.62 123.725,31.62 J4.1
PB1: C211.1 R221.1 R222.2 U101.PB1 | length 59
  Top Layer w0.2: R222.2 32.925,23.647 C211.1
  Top Layer w0.254: R221.1 32.421,27.904 32.925,27.4 R222.2
  Top Layer w0.3: C211.1 32.95,23.422 33.25,23.122 33.45,23.122 33.839,22.733 v2(34.671,22.733)
  Bottom Layer w0.3: v2(34.671,22.733) 48.203,22.733 62.554,8.382 77.978,8.382 v1(79.502,9.906)
PB2: C212.1 R223.1 R224.2 U101.PB2 | length 62.4
  Top Layer w0.254: R223.1@32.798,32.262 R224.2
  Top Layer w0.3: R223.1@32.798,32.262 32.798,32.162 33.93,31.03 33.93,31.026 34.506,31.026 v2(34.544,30.988)
  Bottom Layer w0.3: v2(34.544,30.988) 40.731,30.988 60.416,11.303 79.629,11.303 v1(80.899,10.033)
PC1: C206.1 R211.1 R212.2 U101.PC1 | length 53.3
  Top Layer w0.3: R212.2@42.436,12.844 R212.2@42.536,12.844 ; R212.2 42.95,12.344 C206.1 44.45,14.859 45.974,16.383 45.974,21.463 48.17,23.659 49.684,23.659 50.925,24.9 R211.1 R211.1@50.925,25.036 ; R211.1@50.925,25.1 R211.1@50.925,25.036 ; U101.PC1 73.948,27.032 74.444,27.528 74.485,27.528 74.722,27.765 74.722,33.919 74.485,34.156 60.445,34.156 51.75,25.461 51.35,25.461 R211.1@50.925,25.036
PC2: C205.1 R209.1 R210.2 U101.PC2 | length 52
  Top Layer w0.3: R210.2 42.95,17.678 C205.1 43.688,20.193 45.085,21.59 45.085,23.876 47.868,26.659 49.684,26.659 50.925,27.9 R209.1 51.876,28 58.586,34.71 74.715,34.71 75.276,34.149 75.276,27.049 74.485,26.258 74.444,26.258 73.948,25.762 U101.PC2
PC3: C204.1 R207.1 R208.2 U101.PC3 | length 51
  Top Layer w0.3: R208.2 42.925,25.375 C204.1 43.942,25.4 48.26,29.718 49.743,29.718 50.925,30.9 R207.1 52.082,31 56.346,35.264 74.944,35.264 75.83,34.378 75.83,26.333 74.485,24.988 74.444,24.988 73.948,24.492 U101.PC3
PC6: J4.5 U101.PC6 | length 50.1
  Top Layer w0.3: v1(95.758,26.54) 95.866,26.54 96.358,27.032 U101.PC6
  Bottom Layer w0.3: v1(95.758,26.54) 106.006,26.54 106.409,26.943 129.048,26.943 J4.5
PC7: J4.4 U101.PC7 | length 44.4
  Top Layer w0.3: v1(97.536,27.813) 97.644,27.813 98.133,28.302 U101.PC7
  Bottom Layer w0.3: v1(97.536,27.813) 128.922,27.813 128.925,27.81 135.489,34.374 J4.4
PC8: J4.3 U101.PC8 | length 43.8
  Top Layer w0.3: v1(95.885,29.083) 95.993,29.083 96.482,29.572 U101.PC8
  Bottom Layer w0.3: v1@95.885,29.08 126.185,29.08 J4.3
PC9: J4.2 U101.PC9 | length 43.1
  Top Layer w0.3: v1(94.742,30.353) 94.85,30.353 95.339,30.842 U101.PC9
  Bottom Layer w0.3: v1@94.742,30.35 124.955,30.35 J4.2
PD8: J3.10 U101.PD8 | length 41.6
  Top Layer w0.3: v2(96.862,17.145) 97.37,17.653 97.868,17.653 98.044,17.829 98.044,18.542 98.694,19.192 99.348,19.192 U101.PD8
  Bottom Layer w0.3: v2(96.862,17.145) 130.987,17.145 J3.10
PD9: J3.11 U101.PD9 | length 39
  Top Layer w0.3: v2(96.746,18.186) 97.79,19.231 97.79,19.939 98.313,20.462 99.348,20.462 U101.PD9
  Bottom Layer w0.3: v2(96.746,18.186) 129.528,18.186 J3.11
PD10: J3.12 U101.PD10 | length 36.7
  Top Layer w0.3: v1(96.139,21.46) 96.247,21.46 96.739,21.952 U101.PD10
  Bottom Layer w0.3: v1(96.139,21.46) 126.438,21.46 J3.12
PD15: J4.6 U101.PD15 | length 55.9
  Top Layer w0.3: v1(94.361,25.27) 94.469,25.27 94.961,25.762 U101.PD15
  Bottom Layer w0.3: v1(94.361,25.27) 129.875,25.27 J4.6
PE7: C208.1 R215.2 R216.1 U101.PE7 | length 56.9
  Top Layer w0.2: R215.2@32.879,12.269 32.802,12.192 R216.1 32.802,9.933 34.097,8.638 C208.1@34.097,7.62
  Top Layer w0.3: R215.2 32.802,12.346 32.879,12.269 34.526,10.622 55.605,10.622 57.404,8.823 81.34,8.823 81.577,9.06 81.577,9.101 82.073,9.597 U101.PE7
PE8: C210.1 R219.2 R220.1 U101.PE8 | length 58.4
  Top Layer w0.2: R219.2 32.954,20.545 C210.1
  Top Layer w0.3: C210.1 32.954,14.913 36.627,11.24 56.833,11.24 56.924,11.331 82.61,11.331 82.847,11.094 82.847,11.053 83.343,10.557 U101.PE8
PE9: C209.1 R217.2 R218.1 U101.PE9 | length 41
  Top Layer w0.3: R217.2 51.75,21.311 C209.1 51.75,16.183 54.933,13 82.211,13 84.117,11.094 84.117,11.053 84.613,10.557 U101.PE9
PE10: C207.1 R213.1 R214.2 U101.PE10 | length 50.8
  Top Layer w0.2: R214.2 R213.1
  Top Layer w0.3: C207.1 49.02,6.35 51.19,8.52 56.923,8.52 57.174,8.269 84.596,8.269 85.387,9.06 85.387,9.101 85.883,9.597 U101.PE10
S1: J1.7 R201.2 | length 40
  Top Layer w0.3: v2(47.879,38.989) 48.164,38.989 49.075,39.9 R201.2
  Bottom Layer w0.3: J1.7 13.643,38.989 v2(47.879,38.989)
S2: J1.8 R203.2 | length 39.7
  Top Layer w0.2: v2(48.006,36.576) 48.651,36.576 R203.2
  Bottom Layer w0.2: J1.8 12.159,37.973
  Bottom Layer w0.3: 12.159,37.973 46.609,37.973 v2(48.006,36.576)
S3: J1.9 R205.2 | length 40.6
  Top Layer w0.2: v2(47.625,32.766) 47.682,32.823 47.998,32.823 49.075,33.9 R205.2
  Bottom Layer w0.3: J1.9 43.514,36.877 v2(47.625,32.766)
S4: J1.10 R207.2 | length 41.3
  Top Layer w0.2: v2(47.625,30.226) 47.706,30.226 47.905,30.425 48.6,30.425 49.075,30.9 R207.2
  Bottom Layer w0.3: J1.10 11.811,35.433 42.418,35.433 v2(47.625,30.226)
S5: J1.11 R209.2 | length 42.3
  Top Layer w0.2: v2(47.752,27.432) 48.6,27.432 49.075,27.907 R209.2
  Bottom Layer w0.3: J1.11 13.041,34.163 41.021,34.163 v2(47.752,27.432)
S6: J1.12 R211.2 | length 42.8
  Top Layer w0.2: v2(47.879,24.765) 47.96,24.765 48.195,25 R211.2
  Bottom Layer w0.3: J1.12 13.763,32.385 40.259,32.385 v2(47.879,24.765)
S7: J2.1 R213.2 | length 45.4
  Top Layer w0.2: R213.2@41.112,9.298 R213.2
  Top Layer w0.3: J2.1 8.15,12.722 11.4,15.972 11.4,16.988 13.852,19.44 20.819,19.44 23.622,16.637 23.622,12.954 30.137,6.439 38.253,6.439 R213.2@41.112,9.298
S8: J2.2 R215.1 | length 28.1
  Top Layer w0.2: R215.1@30.666,12.732 R215.1
  Top Layer w0.3: J2.2 13.237,20.066 22.86,20.066 30.194,12.732 R215.1@30.666,12.732
S9: J2.3 R217.1 | length 44.6
  Top Layer w0.2: v2(48.26,20.574) 48.859,20.574 49.173,20.888 49.273,20.888 49.748,21.363 R217.1
  Bottom Layer w0.2: J2.3 8.693,18.022 8.776,18.022 J2.3@8.849,18.022
  Bottom Layer w0.3: J2.3 45.8,17.479 48.26,19.939 v2(48.26,20.574)
S10: J2.4 R219.1 | length 24.2
  Top Layer w0.3: J2.4 10.015,21.844 29.805,21.844 R219.1
S11: J2.5 R221.2 | length 25.2
  Top Layer w0.3: J2.5 10.055,24.384 24.384,24.384 28.956,28.956 30.444,28.956 R221.2
S12: J2.6 R223.2 | length 25.9
  Top Layer w0.3: J2.6 23.773,24.979 30.952,32.158 R223.2
pads on no net: J1.MH1 J2.MH1 J3.MH1 J4.MH1 U101.5V_1 U101.5V_2 U101.5V_3 U101.5V_4 U101.5V_5 U101.NC_1 U101.NC_2 U101.NC_3 U101.NC_4 U101.NC_5 U101.NC_6 U101.NC_7 U101.NC_8 U101.NC_9 U101.NC_10 U101.NC_11 U101.NC_12 U101.NC_13 U101.PA3 U101.PA4 U101.PA9 U101.PA10 U101.PA15 U101.PB0 U101.PB3 U101.PB4 U101.PB5 U101.PB8 U101.PB9 U101.PB15 U101.PC0 U101.PC4 U101.PC5 U101.PC10 U101.PC11 U101.PC12 U101.PC13 U101.PC14 U101.PC15 U101.PD2 U101.PD3 U101.PD4 U101.PD5 U101.PD6 U101.PD7 U101.PD11 U101.PD14 U101.PE0 U101.PE1 U101.PE2 U101.PE3 U101.PE5 U101.PE6 U101.PE11 U101.PE12 U101.PE13 U101.PE14 U101.PE15

## Polygon pours and split planes (outlines as drawn)
+3.3 on Bottom Layer "+3.3_L02_P000" (solid, pour order 0): 64.389,20.193 77.47,34.925 77.216,46.99 127.635,47.244 143.51,31.369 143.51,16.256 117.729,16.256 106.172,4.699 70.104,5.334
GND on Bottom Layer "GND_L02_P002" (solid, pour order 2): 0,5 0,50 cw(c5,50) 5,55 145,55 cw(c145,50) 150,50 150,5 cw(c145,5) 145,0 5,0 cw(c5,5)
GND on Top Layer "GND_L01_P001" (solid, pour order 1): 0,5 0,50 cw(c5,50) 5,55 145,55 cw(c145,50) 150,50 150,5 cw(c145,5) 145,0 5,0 cw(c5,5)
GND on GND "GND_L02_P003" (solid, pour order 3): 0,5 0,50 cw(c5,50) 5,55 145,55 cw(c145,50) 150,50 150,5 cw(c145,5) 145,0 5,0 cw(c5,5)
+3.3 on PWR "+3.3_L03_P004" (solid, pour order 4): 0,5 0,50 cw(c5,50) 5,55 145,55 cw(c145,50) 150,50 150,5 cw(c145,5) 145,0 5,0 cw(c5,5)

## Silkscreen, mask and mechanical layers (free items; w line width, h text height)
Top Overlay:
  drawing of 40 lines, arcs and shapes, not listed
  text "Shield Area" at 77.853,49.022 h2.5
  text "Expansion Connector" at 128.781,41.097 h3
  text "S1 conn" at 14.732,29.594 h3 r90
  text "COMs Connector" at 129.159,27.051 h3
  text "S2 conn" at 14.986,20.577 h3 r90
  text "ETRX_Front_ECU" at 122.558,12.442 h3
  text "Bernat Costa Cesari 2024" at 122.558,10.287 h3
Mechanical 1:
  the board outline again, w0.1